# Altium PCB foxbms2-master.PcbDoc (part 7 of 12) (continued)
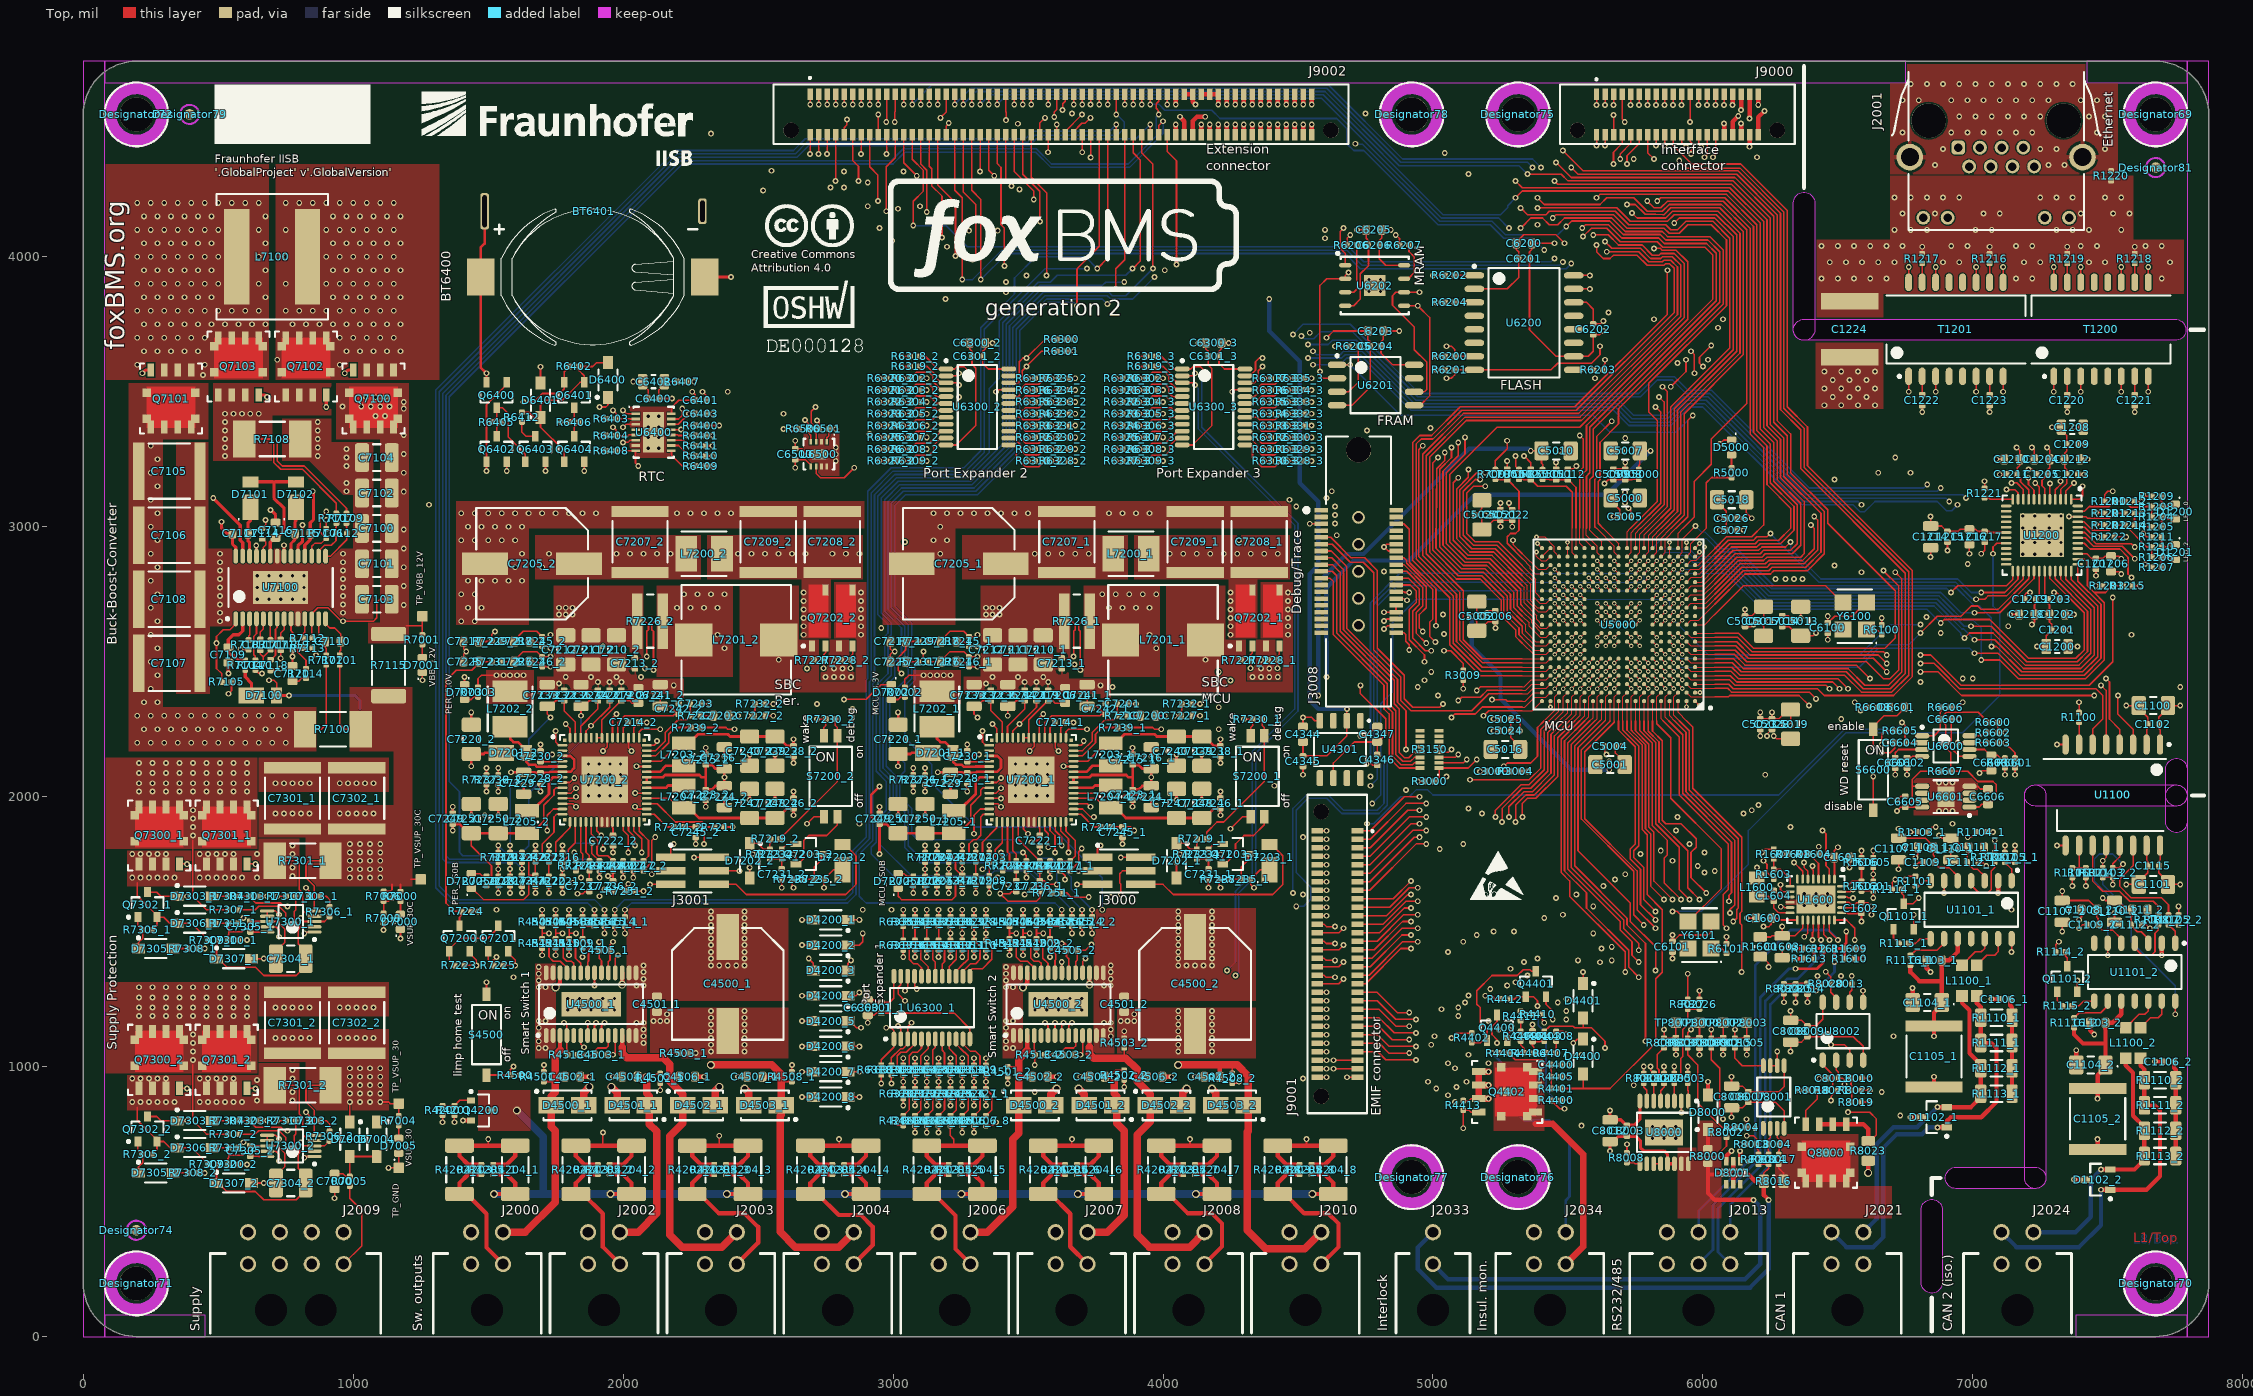
[diagram p0: Top view]
## Nets (pads, with @x,y where several pads share a name; then routed paths per layer and width w, separated by ;. In a path a pad name is that pad's centre, name@x,y a point inside that pad or via, vN(x,y) a via of type N, cw(c..) or ccw(c..) an arc to the next point about the centre after c; other vN are vias at no path point) (continued)
  Int1 (Sig) w6: v1(5025,1806.25) 5025,1956.25 5106.25,2037.5 5331.25,2037.5 5400,2106.25 5400,2218.75 5343.75,2275 5343.75,2281.25
MCU_EMIF.DATA4: J9001.5 U5000.E5 | length 1947.7
  Top w4: U5000.E5@5844.98,2480.02 v3(5860.73,2464.27)
  Top w6: J9001.5@4720.47,1811.02 4767.27,1811.02 4906.25,1950 v1(4950,1950)
  Int3 (Sig) w6: v1(4950,1950) 5100,1950 5137.5,1912.5 5162.5,1912.5 5200,1875 5856.25,1875 v1(5906.25,1925)
  Int1 (Sig) w4: v3(5860.73,2464.27) 5875.59,2449.41 5928.1,2449.41 5956.25,2421.26 5956.25,2318.75 5918.75,2281.25
  Int1 (Sig) w6: v1(5906.25,1925) 5918.75,1937.5 5918.75,2281.25
MCU_EMIF.DATA5: J9001.6 U5000.F5 | length 2128.8
  Top w4: U5000.F5@5844.98,2511.52 v3(5860.73,2495.77)
  Top w6: J9001.6@4570.87,1811.02 v1(4606.25,1811.02)
  Int3 (Sig) w6: v1(4606.25,1811.02) 4642.27,1775 5756.25,1775 v1(5768.75,1787.5)
  Int1 (Sig) w4: v3(5860.73,2495.77) 5875.59,2480.91 5928.1,2480.91 5968.75,2440.26 5968.75,2312.5 5937.5,2281.25
  Int1 (Sig) w6: v1(5768.75,1787.5) 5881.25,1900 5918.75,1900 5931.25,1912.5 5931.25,2275 5937.5,2281.25
MCU_EMIF.DATA6: J9001.7 U5000.G5 | length 2087.8
  Top w4: U5000.G5@5844.98,2543.01 v3(5860.73,2527.26)
  Top w6: J9001.7@4720.47,1779.53 4767.03,1779.53 4912.5,1925 v1(4975,1925)
  Int3 (Sig) w6: v1(4975,1925) 5106.25,1925 5131.25,1900 5156.25,1900 5193.75,1862.5 5862.5,1862.5 5875,1875 v1(5900,1875)
  Int1 (Sig) w4: v3(5860.73,2527.26) 5875.59,2512.41 5928.1,2512.41 6006.25,2434.25 6006.25,2325 5962.5,2281.25
  Int1 (Sig) w6: v1(5900,1875) 5912.5,1887.5 5925,1887.5 5943.75,1906.25 5943.75,2262.5 5962.5,2281.25
MCU_EMIF.DATA7: J9001.8 U5000.K5 | length 2463
  Top w4: U5000.K5@5844.98,2637.5 v3(5860.73,2653.25)
  Top w6: J9001.8@4570.87,1779.53 v1(4606.25,1779.53)
  Int3 (Sig) w6: v1(4606.25,1779.53) 4623.28,1762.5 v1(5887.5,1762.5)
  Int1 (Sig) w4: v3(5860.73,2653.25) 5882.73,2631.25 5956.25,2631.25 6043.75,2543.75
  Int1 (Sig) w6: v1(5887.5,1762.5) 5925,1762.5 6006.25,1843.75 6006.25,2231.25 6068.75,2293.75 6068.75,2518.75 6043.75,2543.75
MCU_EMIF.DATA8: J9001.9 U5000.L5 | length 2530.2
  Top w4: U5000.L5@5844.98,2669 v3(5860.73,2684.74)
  Top w6: J9001.9@4720.47,1748.03 4766.78,1748.03 4918.75,1900 v1(4950,1900)
  Int3 (Sig) w6: v1(4950,1900) 5112.5,1900 5125,1887.5 5150,1887.5 5187.5,1850 5906.25,1850 5925,1868.75 5981.25,1868.75 6006.25,1843.75 v1(6006.25,1793.75)
  Int1 (Sig) w4: v3(5860.73,2684.74) 5876.72,2668.75 5956.25,2668.75 6043.75,2581.25
  Int1 (Sig) w6: v1(6006.25,1793.75) 6031.25,1818.75 6031.25,2218.75 6093.75,2281.25 6093.75,2531.25 6043.75,2581.25
MCU_EMIF.DATA9: J9001.10 U5000.M5 | length 2642.3
  Top w4: U5000.M5@5844.98,2700.49 v3(5860.73,2716.24)
  Top w6: J9001.10@4570.87,1748.03 v1(4606.25,1748.03)
  Int3 (Sig) w6: v1(4606.25,1748.03) 4608.22,1750 5862.5,1750 5875,1737.5 5906.25,1737.5 5912.5,1743.75 v1(5981.25,1743.75)
  Int1 (Sig) w4: v3(5860.73,2716.24) 5877.37,2699.6 5956.65,2699.6 6043.75,2612.5
  Int1 (Sig) w6: v1(5981.25,1743.75) 6012.5,1743.75 6056.25,1787.5 6056.25,2206.25 6118.75,2268.75 6118.75,2537.5 6043.75,2612.5
MCU_EMIF.DATA10: J9001.11 U5000.N5 | length 2739
  Top w4: U5000.N5@5844.98,2731.99 v3(5860.73,2747.74)
  Top w6: J9001.11@4720.47,1716.54 4766.54,1716.54 4925,1875 v1(4975,1875)
  Int3 (Sig) w6: v1(4975,1875) 5143.75,1875 5181.25,1837.5 5912.5,1837.5 5931.25,1856.25 5959.71,1856.25 5981.25,1834.71 5981.25,1781.25 6006.25,1756.25 v1(6006.25,1718.75)
  Int1 (Sig) w4: v3(5860.73,2747.74) 5877.37,2731.1 5943.9,2731.1 6043.75,2631.25
  Int1 (Sig) w6: v1(6006.25,1718.75) 6068.75,1781.25 6068.75,2200 6131.25,2262.5 6131.25,2543.75 6043.75,2631.25
MCU_EMIF.DATA11: J9001.12 U5000.P5 | length 2783
  Top w4: U5000.P5@5844.98,2763.48 v3(5860.73,2779.23)
  Top w6: J9001.12@4570.87,1716.54 v1(4606.25,1716.54)
  Int3 (Sig) w6: v1(4606.25,1716.54) 4627.21,1737.5 5856.25,1737.5 5868.75,1725 5962.5,1725 5993.75,1693.75 6012.5,1693.75 v1(6043.75,1725)
  Int1 (Sig) w4: v3(5860.73,2779.23) 5877.37,2762.59 5937.41,2762.59 6043.75,2656.25
  Int1 (Sig) w6: v1(6043.75,1725) 6081.25,1762.5 6081.25,2193.75 6143.75,2256.25 6143.75,2556.25 6043.75,2656.25
MCU_EMIF.DATA12: J9001.13 U5000.R5 | length 2520.3
  Top w4: U5000.R5@5844.98,2794.98 v3(5860.73,2810.73)
  Top w6: J9001.13@4720.47,1685.04 4766.29,1685.04 4931.25,1850 v1(4950,1850)
  Int3 (Sig) w6: v1(4950,1850) 4987.5,1850 5000,1862.5 5137.5,1862.5 5175,1825 v1(5950,1825)
  Int1 (Sig) w4: v3(5860.73,2810.73) 5844.09,2794.09 5844.09,2630.91 5856.25,2618.75 5950,2618.75 6043.75,2525 ; 6037.5,2281.25 6043.75,2287.5
  Int1 (Sig) w6: v1(5950,1825) 5993.75,1868.75 5993.75,2237.5 6037.5,2281.25 ; 6043.75,2287.5 6056.25,2300 6056.25,2512.5 6043.75,2525
MCU_EMIF.DATA13: J9001.14 U5000.R6 | length 2647.2
  Top w4: U5000.R6@5813.48,2794.98 v3(5829.23,2810.73)
  Top w6: J9001.14@4570.87,1685.04 v1(4606.25,1685.04)
  Int3 (Sig) w6: v1(4606.25,1685.04) 4646.21,1725 5700,1725 v1(5712.5,1712.5)
  Int1 (Sig) w4: v3(5829.23,2810.73) 5812.59,2794.09 5812.59,2618.66 5825,2606.25 5941.98,2606.25 6043.75,2504.48 ; 6018.75,2281.25 6043.75,2306.25
  Int1 (Sig) w6: v1(5712.5,1712.5) 5750,1750 5843.75,1750 5981.25,1887.5 5981.25,2243.75 6018.75,2281.25 ; 6043.75,2306.25 6043.75,2504.48
MCU_EMIF.DATA14: J9001.15 U5000.R7 | length 2552.6
  Top w4: U5000.R7@5781.99,2794.98 v3(5797.74,2810.73)
  Top w6: J9001.15@4720.47,1653.54 4766.04,1653.54 4937.5,1825 v1(4975,1825)
  Int3 (Sig) w6: v1(4975,1825) 4993.75,1825 5018.75,1850 5131.25,1850 5168.75,1812.5 5831.25,1812.5 v1(5843.75,1800)
  Int1 (Sig) w4: v3(5797.74,2810.73) 5781.25,2794.24 5781.25,2581.25 5787.5,2575 5937.5,2575 6031.25,2481.25 6031.25,2312.5 6000,2281.25
  Int1 (Sig) w6: v1(5843.75,1800) 5868.75,1825 5900,1825 5968.75,1893.75 5968.75,2250 6000,2281.25
MCU_EMIF.DATA15: J9001.16 U5000.R8 | length 2688.4
  Top w4: U5000.R8@5750.49,2794.98 v3(5766.24,2810.73)
  Top w6: J9001.16@4570.87,1653.54 v1(4606.25,1653.54)
  Int3 (Sig) w6: v1(4606.25,1653.54) 4665.21,1712.5 5656.25,1712.5 v1(5675,1693.75)
  Int1 (Sig) w4: v3(5766.24,2810.73) 5750,2794.49 5750,2553.99 5760.24,2543.75 5928.25,2543.75 6018.75,2453.25 6018.75,2318.75 5981.25,2281.25
  Int1 (Sig) w6: v1(5675,1693.75) 5675,1710.86 5726.64,1762.5 5775,1762.5 5850,1837.5 5893.75,1837.5 5956.25,1900 5956.25,2256.25 5981.25,2281.25
MCU_EPWM1.A_1: J9002.51 U5000.D9 | length 4019.5
  Top w4: U5000.D9@5719,2448.52 v3(5734.74,2432.78)
  Top w6: v1(3480.31,4564.86) J9002.51@3480.31,4602.36
  Int1 (Sig) w4: 5537.5,2993.75 5640.26,2890.99 5640.26,2872.24 5655.42,2857.08 5677.91,2857.08 5693.75,2841.24 5693.75,2473.77 v3(5734.74,2432.78)
  Int1 (Sig) w6: v1(3480.31,4564.86) 3527.95,4612.5 4075,4612.5 4098.25,4589.25 4098.25,4551.75 4112.5,4537.5 4112.5,4412.5 4168.75,4356.25 4962.5,4356.25 5300,4018.75 5300,3431.25 5425,3306.25 5425,3106.25 5537.5,2993.75
MCU_EPWM1.B_1: J9002.52 U5000.D10 | length 3852
  Top w4: v3(5671.75,2432.78) U5000.D10@5687.5,2448.52
  Top w6: J9002.52@3480.31,4452.76 3480.31,4305.51 3543.19,4242.64 3543.19,4131.81 v1(3543.75,4131.25)
  Int4 (Sig) w4: 5343.75,2993.75 5343.75,2543.75 5438.55,2448.95 5655.58,2448.95 v3(5671.75,2432.78)
  Int4 (Sig) w6: v1(3543.75,4131.25) 3555.49,4142.99 4838.26,4142.99 5212.5,3768.75 5212.5,3218.75 5343.75,3087.5 5343.75,2993.75
MCU_ETM.CLKIN_1: R3009.1 U5000.R9 | length 1048.5
  Top w4: U5000.R9@5719,2794.98 v3(5734.74,2810.73)
  Top w6: v1(5040.67,2540.67) 5065.58,2540.67 5112.5,2493.75 R3009.1@5112.5,2467.72
  Int3 (Sig) w4: 5331.25,2543.75 5381.25,2543.75 5443.75,2606.25 5675,2606.25 5687.5,2618.75 5687.5,2763.48 v3(5734.74,2810.73)
  Int3 (Sig) w6: v1(5040.67,2540.67) 5040.67,2540.58 5062.5,2518.75 5275,2518.75 5300,2543.75 5331.25,2543.75
MCU_ETM.CLKOUT_1: J3008.6 U5000.R10 | length 1414.2
  Top w4: v3(5671.75,2810.73) U5000.R10@5687.5,2794.98
  Top w6: J3008.6@4863.39,3011.02 4892.39,3011.02 4912.5,2990.91 4912.5,2868.75 5011.15,2770.1 v1(5011.15,2633.07)
  Int3 (Sig) w4: 5331.25,2556.25 5381.25,2556.25 5443.75,2618.75 5648.25,2618.75 5656.25,2626.75 5656.25,2795.23 v3(5671.75,2810.73)
  Int3 (Sig) w6: v1(5011.15,2633.07) 5011.15,2601.35 5081.25,2531.25 5268.75,2531.25 5293.75,2556.25 5331.25,2556.25
MCU_ETM.CTL_1: J3008.36 U5000.R11 | length 1139.3
  Top w4: v3(5640.26,2810.73) U5000.R11@5656,2794.98
  Top w6: v1(4818.75,2621.7) 4819.96,2621.7 4831.34,2633.07 J3008.36@4863.39,2633.07
  Int3 (Sig) w4: 5331.25,2568.75 5375,2568.75 5437.5,2631.25 5618.75,2631.25 5625,2637.5 5625,2795.47 v3(5640.26,2810.73)
  Int3 (Sig) w6: v1(5040.67,2602.69) 5041.06,2602.69 5100,2543.75 5259.99,2543.75 5284.99,2568.75 5331.25,2568.75
  Int1 (Sig) w6: v1(4818.75,2621.7) 4934.36,2621.7 4947.31,2634.65 4971.6,2634.65 5003.56,2602.69 v1(5040.67,2602.69)
MCU_ETM.DATA0_1: J3008.38 U5000.R12 | length 1108.5
  Top w4: v3(5608.76,2810.73) U5000.R12@5624.51,2794.98
  Top w6: J3008.38@4863.39,2607.87 4892.39,2607.87 4899.28,2600.98 4899.28,2575.72 4912.5,2562.5 v1(4912.5,2543.75)
  Int3 (Sig) w4: 5331.25,2581.25 5356.25,2581.25 5443.75,2668.75 5581.25,2668.75 5593.75,2681.25 5593.75,2795.72 v3(5608.76,2810.73)
  Int3 (Sig) w6: v1(4912.5,2543.75) 4912.5,2593.37 4974.03,2654.9 5020.19,2654.9 5034.98,2640.11 5034.98,2640.02 5118.75,2556.25 5250,2556.25 5275,2581.25 5331.25,2581.25
MCU_ETM.DATA1_1: J3008.28 U5000.R13 | length 957.4
  Top w4: v3(5577.26,2810.73) U5000.R13@5593.01,2794.98
  Top w6: J3008.28@4863.39,2733.86 4893.18,2733.86 4899.28,2727.75 v1(4903.52,2727.75)
  Int3 (Sig) w4: 5331.25,2591.25 5335,2591.25 5443.75,2700 5556.25,2700 5562.5,2706.25 5562.5,2762.5 5562.41,2762.59 5562.41,2795.87 v3(5577.26,2810.73)
  Int3 (Sig) w6: v1(5037.5,2675) 5143.75,2568.75 5243.75,2568.75 5266.25,2591.25 5331.25,2591.25
  Int1 (Sig) w6: v1(4903.52,2727.75) 4984.75,2727.75 v1(5037.5,2675)
MCU_ETM.DATA2_1: J3008.26 U5000.J15 | length 991.7
  Top w4: v3(5514.27,2590.26) U5000.J15@5530.02,2606
  Top w6: J3008.26@4863.39,2759.06 4892.39,2759.06 4895.19,2756.25 v1(4912.5,2756.25) v1@4909.69,2759.06
  Int3 (Sig) w4: 5331.25,2531.25 5400,2531.25 5443.75,2575 5499.02,2575 v3(5514.27,2590.26)
  Int3 (Sig) w6: v1(4912.5,2756.25) 4909.5,2753.25 4898.15,2753.25 4881.25,2736.35 4881.25,2544.13 4903.46,2521.92 4977.69,2521.92 4980.87,2518.75 5043.75,2518.75 5056.25,2506.25 5281.25,2506.25 5306.25,2531.25 5331.25,2531.25
MCU_ETM.DATA3_1: J3008.24 U5000.H15 | length 976.6
  Top w4: v3(5514.27,2558.76) U5000.H15@5530.02,2574.51
  Top w6: J3008.24@4863.39,2784.25 4915.75,2784.25 4937.5,2762.5 4937.5,2718.75 4912.5,2693.75 4912.5,2581.25 4968.75,2525 v1(4968.75,2500)
  Int3 (Sig) w4: 5331.25,2518.75 5412.5,2518.75 5435.87,2542.12 5497.63,2542.12 v3(5514.27,2558.76)
  Int3 (Sig) w6: v1(4968.75,2500) 5043.75,2500 5050,2493.75 5287.5,2493.75 5312.5,2518.75 5331.25,2518.75
MCU_ETM.DATA4_1: J3008.22 U5000.G15 | length 1041.4
  Top w4: v3(5514.27,2527.26) U5000.G15@5530.02,2543.01
  Top w6: J3008.22@4863.39,2809.45 4909.3,2809.45 4950,2768.75 4950,2712.5 4925,2687.5 4925,2587.5 4971.83,2540.67 v1(4993.75,2540.67)
  Int3 (Sig) w4: 5331.25,2506.25 5493.26,2506.25 v3(5514.27,2527.26)
  Int3 (Sig) w6: v1(4993.75,2462.5) 5006.25,2450 5043.75,2450 5077.5,2483.75 5296.25,2483.75 5318.75,2506.25 5331.25,2506.25
  Int1 (Sig) w6: v1(4993.75,2462.5) v1(4993.75,2540.67)
MCU_ETM.DATA5_1: J3008.20 U5000.F15 | length 1108.6
  Top w4: v3(5514.27,2495.77) U5000.F15@5530.02,2511.52
  Top w6: J3008.20@4863.39,2834.65 4902.85,2834.65 4962.5,2775 4962.5,2706.25 4937.5,2681.25 4937.5,2606.25 v1(4975,2568.75)
  Int3 (Sig) w4: 5331.25,2495.77 v3(5514.27,2495.77)
  Int3 (Sig) w6: v1(4968.75,2431.25) 5043.75,2431.25 5081.25,2468.75 5300,2468.75 5327.02,2495.77 5331.25,2495.77
  Int1 (Sig) w6: v1(4968.75,2431.25) 4946.92,2453.08 4946.92,2540.67 v1(4975,2568.75)
MCU_ETM.DATA6_1: J3008.18 U5000.E15 | length 1188.1
  Top w4: v3(5514.27,2464.27) U5000.E15@5530.02,2480.02
  Top w6: J3008.18@4863.39,2859.84 4893.12,2859.84 4975,2777.97 4975,2700 4950,2675 4950,2625 v1(4962.5,2612.5)
  Int3 (Sig) w4: 5331.25,2481.25 5497.29,2481.25 v3(5514.27,2464.27)
  Int3 (Sig) w6: v1(4943.75,2406.25) 5037.5,2406.25 5087.5,2456.25 5306.25,2456.25 5331.25,2481.25
  Int1 (Sig) w6: v1(4943.75,2406.25) 4941.98,2408.02 4941.98,2426.77 4934.42,2434.33 4934.42,2599.62 4947.31,2612.5 v1(4962.5,2612.5)
MCU_ETM.DATA7_1: J3008.16 U5000.E14 | length 1188.1
  Top w4: v3(5545.77,2464.27) U5000.E14@5561.52,2480.02
  Top w6: J3008.16@4863.39,2885.04 4892.39,2885.04 4902.5,2874.93 4902.5,2864.61 5000,2767.11 5000,2658.27 4987.5,2645.77 4987.5,2594.13 v1(5008.89,2572.74)
  Int3 (Sig) w4: 5331.25,2449.41 5530.91,2449.41 v3(5545.77,2464.27)
  Int3 (Sig) w6: v1(5018.75,2375) 5020.39,2375 5089.14,2443.75 5312.5,2443.75 5318.16,2449.41 5331.25,2449.41
  Int1 (Sig) w6: v1(5008.89,2572.74) 5008.89,2556.4 5018.85,2546.44 5018.85,2375.1 v1(5018.75,2375)
MCU_FRAY1.RX_1: J9002.27 U5000.A15 | length 5098.2
  Top w4: 5506.25,2281.25 5530.02,2305.02 U5000.A15@5530.02,2354.04
  Top w6: v1(3102.36,4564.86) J9002.27@3102.36,4602.36 ; v1(5306.25,1906.25) 5306.25,1968.75 5343.75,2006.25 5375,2006.25 5450,2081.25 5450,2225 5506.25,2281.25
  Int3 (Sig) w6: v1(3100,4187.5) 3118.75,4206.25 3118.75,4520.82 3102.36,4537.2 v1(3102.36,4564.86)
  Int4 (Sig) w6: v1(3100,4187.5) 3262.5,4187.5 3307.01,4142.99 3500.76,4142.99 3537.5,4106.25 3556.25,4106.25 3581.25,4131.25 4468.75,4131.25 4618.75,3981.25 4806.25,3981.25 4918.75,3868.75 4918.75,3243.75 5300,2862.5 5300,2225 5325,2200 5325,1956.25 5306.25,1937.5 v1(5306.25,1906.25)
MCU_FRAY1.TX_1: J9002.28 U5000.B15 | length 4924.6
  Top w4: 5487.5,2281.25 5514.27,2308.02 5514.27,2369.78 U5000.B15@5530.02,2385.53
  Top w6: J9002.28@3102.36,4452.76 3102.36,4343.75 3125,4321.11 v1(3125,4165.67) ; v1(5281.25,1925) 5281.25,1962.5 5337.5,2018.75 5368.75,2018.75 5437.5,2087.5 5437.5,2231.25 5487.5,2281.25
  Int4 (Sig) w6: v1(3125,4165.67) 3260.21,4165.67 3294.64,4131.25 3489.93,4131.25 3527.43,4093.75 3562.5,4093.75 3587.5,4118.75 4462.5,4118.75 4612.5,3968.75 4800,3968.75 4906.25,3862.5 4906.25,3237.5 5287.5,2856.25 5287.5,2218.75 5312.5,2193.75 5312.5,1975 5281.25,1943.75 v1(5281.25,1925)
MCU_FRAY1.TXEN_1: J9002.29 U5000.B16 | length 4921.2
  Top w4: 5450,2281.25 5482.78,2314.03 5482.78,2369.78 U5000.B16@5498.52,2385.53
  Top w6: v1(3133.86,4564.86) J9002.29@3133.86,4602.36 ; v1(5231.25,1925) 5231.25,1948.97 5326.03,2043.75 5356.25,2043.75 5412.5,2100 5412.5,2243.75 5450,2281.25
  Int3 (Sig) w6: v1(3133.86,4564.86) 3133.86,4341.14 3156.25,4318.75 v1(3156.25,4143.75)
  Int4 (Sig) w6: v1(3156.25,4143.75) 3263.39,4143.75 3288.39,4118.75 3477.36,4118.75 3514.86,4081.25 3575,4081.25 3600,4106.25 4456.25,4106.25 4893.75,3668.75 4893.75,3212.5 5262.5,2843.75 5262.5,2218.75 5231.25,2187.5 v1(5231.25,1925)
MCU_FRAY2.RX_1: J9002.30 U5000.A8 | length 5992.2
  Top w4: 5750.49,2281.25 U5000.A8@5750.49,2354.04
  Top w6: J9002.30@3133.86,4452.76 3133.86,4335.92 3143.75,4326.03 3143.75,4262.5 3181.25,4225 v1(3181.25,4071.92) ; 5750.49,2281.25 5750.49,2244.03 5800,2194.52 5800,1887.5 5818.75,1868.75 5818.75,1687.5 v1(5887.5,1618.75)
  Int4 (Sig) w6: v1(3181.25,4071.92) 3196.83,4071.92 3231.25,4037.5 3325,4037.5 3337.5,4025 3450,4025 3468.75,4006.25 3612.5,4006.25 3637.5,4031.25 4418.75,4031.25 4818.75,3631.25 4818.75,2993.75 4786.25,2961.25 4786.25,2363.75 4875,2275 4875,1887.5 4981.25,1781.25 5050,1781.25 5068.75,1800 5700,1800 5750,1750 5800,1750 5887.5,1662.5 v1(5887.5,1618.75)
MCU_FRAY2.TX_1: J9002.31 U5000.B8 | length 6165.5
  Top w4: 5734.74,2281.25 5734.74,2369.78 U5000.B8@5750.49,2385.53
  Top w6: v1(3165.35,4564.86) J9002.31@3165.35,4602.36 ; 5734.74,2281.25 5734.74,2245.64 5742.75,2237.63 5787.5,2192.88 5787.5,1881.25 5806.25,1862.5 5806.25,1668.75 v1(5856.25,1618.75)
  Int3 (Sig) w6: v1(3165.35,4564.86) 3165.35,4537.8 3150,4522.44 3150,4350 3212.5,4287.5 3212.5,4050 v1(3200,4037.5)
  Int4 (Sig) w6: v1(3200,4037.5) 3212.5,4025 3318.75,4025 3331.25,4012.5 3443.75,4012.5 3462.5,3993.75 3618.75,3993.75 3643.75,4018.75 4412.5,4018.75 4806.25,3625 4806.25,3000 4776.25,2970 4776.25,2355 4862.5,2268.75 4862.5,1883.21 4976.96,1768.75 5056.25,1768.75 5075,1787.5 5693.75,1787.5 5743.75,1737.5 5793.75,1737.5 5856.25,1675 v1(5856.25,1618.75)
MCU_FRAY2.TXEN_1: J9002.32 U5000.B9 | length 6049.4
  Top w4: 5703.44,2281.25 5703.44,2369.97 U5000.B9@5719,2385.53
  Top w6: J9002.32@3165.35,4452.76 3165.35,4265.9 3231.25,4200 v1(3231.25,4003.17) ; 5703.44,2281.25 5703.44,2246.79 5762.5,2187.73 5762.5,1818.75 5743.75,1800 5743.75,1775 5781.25,1737.5 5781.25,1618.75 v1(5825,1575)
  Int4 (Sig) w6: v1@3231.25,4003.17 3240.58,4012.5 3312.5,4012.5 3325,4000 3437.5,4000 3456.25,3981.25 3625,3981.25 3650,4006.25 4406.25,4006.25 4793.75,3618.75 4793.75,3006.25 4766.25,2978.75 4766.25,2347.32 4850,2263.57 4850,1878.03 4971.78,1756.25 5061.43,1756.25 5080.18,1775 5687.5,1775 5825,1637.5 v1(5825,1575)
MCU_GIOA.0_1: U5000.A5 U7200_1.33 | length 4419.2
  Top w4: U5000.A5@5844.98,2354.04 5844.98,2288.43 5852.16,2281.25
  Top w6: U7200_1.33@3668.52,2013.29 3750.42,2013.29 3763.71,2000 3850,2000 3856.25,2006.25 3912.5,2006.25 3924.56,1994.19 v1(3924.82,1994.19) ; 5852.16,2281.25 5912.5,2220.91 5912.5,2006.25 6093.75,1825 6093.75,1656.25 6075,1637.5 6075,1525 v1(6087.5,1512.5)
  Int3 (Sig) w6: v1(3924.82,1994.19) 3994.01,1925 4185.39,1925 4200.97,1909.42 4221.92,1909.42 4331.25,2018.75 4825,2018.75 5006.25,2200 5143.75,2200 5206.25,2137.5 5343.75,2137.5 5425,2056.25 6206.25,2056.25 v1(6231.25,2081.25)
  Int1 (Sig) w6: v1(6087.5,1512.5) 6118.37,1512.5 6140.67,1534.81 6140.67,1628.17 6248.29,1735.79 6248.29,2064.21 v1(6231.25,2081.25)
MCU_GIOA.1_1: U5000.C2 U7200_2.33 | length 5259.5
  Top w4: U5000.C2@5939.47,2417.03 5955.22,2401.28 6043.75,2401.28
  Top w6: v2(2044.54,2013.29) U7200_2.33@2087.27,2013.29 ; 6043.75,2401.28 6092.47,2401.28 6106.25,2387.5 6393.75,2387.5 v1(6418.75,2362.5)
  Int3 (Sig) w6: v1(4768.75,2075) 4862.5,2075 5000,2212.5 5150,2212.5 5162.5,2200 5664.27,2200 5676.77,2212.5 6131.25,2212.5 6206.25,2287.5 6381.25,2287.5 6418.75,2325 v1(6418.75,2362.5)
  Int4 (Sig) w6: v2(2044.54,2013.29) 2145.32,1912.5 2368.75,1912.5 2381.25,1925 2431.25,1925 2456.25,1900 2630.87,1900 2668.37,1937.5 2893.75,1937.5 2950,1993.75 3337.5,1993.75 3390.58,1940.67 3409.42,1940.67 3443.75,1975 3687.5,1975 3743.75,2031.25 4168.75,2031.25 4212.5,2075 4440.67,2075 4459.42,2056.25 4750,2056.25 v1(4768.75,2075)
MCU_GIOA.2_1: J9000.20 U5000.C1 | length 3332
  Top w4: U5000.C1@5970.96,2417.03 6043.75,2417.03
  Top w6: J9000.20@5889.76,4452.76 5889.76,4412.75 5958.76,4343.75 6140.35,4343.75 6312.5,4171.6 6312.5,3444.64 6387.5,3369.64 6387.5,3225.89 6775,2838.39 6775,2443.75 6706.25,2375 6450,2375 6425,2400 6112.5,2400 6095.47,2417.03 6043.75,2417.03
MCU_GIOA.3_1: J9000.21 U5000.E1 | length 3479.6
  Top w4: U5000.E1@5970.96,2480.02 6043.75,2480.02
  Top w6: v1(5912.5,4356.25) 5940,4328.75 6137.67,4328.75 6300,4166.42 6300,3439.46 6375,3364.46 6375,3220.71 6762.5,2833.21 6762.5,2450 6700,2387.5 6587.5,2387.5 6525,2450 6137.5,2450 6107.48,2480.02 6043.75,2480.02 ; v1(5921.26,4562.5) J9000.21@5921.26,4602.36
  Int3 (Sig) w6: v1(5912.5,4356.25) 5912.5,4551.16 5921.26,4559.92 v1(5921.26,4562.5)
MCU_GIOA.4_1: J9000.22 U5000.A6 | length 5344.4
  Top w4: 5813.48,2281.25 U5000.A6@5813.48,2354.04
  Top w6: 5813.48,2281.25 5813.48,2243.2 5850,2206.68 5850,1912.5 5862.5,1900 5918.75,1900 5975,1843.75 5975,1812.5 5956.25,1793.75 5956.25,1700 v1(6012.5,1643.75) ; J9000.22@5921.26,4452.76 5921.26,4422.49 v1(5937.5,4406.25)
  Int3 (Sig) w6: v1(5937.5,4406.25) 5937.5,4456.48 5930.93,4463.05 5930.93,4540.67 5977.76,4587.5 6131.25,4587.5 6200,4518.75 v1(6200,4368.75) ; v1(6012.5,1643.75) 6037.5,1643.75 6243.75,1850 6631.25,1850 6693.75,1912.5 6912.5,1912.5 v1(6925,1900)
  Int1 (Sig) w6: v1(6200,4368.75) 6212.5,4356.25 6212.5,3662.5 6256.25,3618.75 6256.25,3337.5 6856.25,2737.5 6856.25,2575.55 6881.25,2550.55 6881.25,2193.75 6850,2162.5 6850,1937.5 6867.25,1920.25 6904.75,1920.25 v1(6925,1900)
MCU_GIOA.6_1: J9000.23 U5000.H3 | length 2493
  Top w4: U5000.H3@5907.97,2574.51 v3(5923.72,2558.76)
  Top w6: v1(5952.76,4500) J9000.23@5952.76,4602.36
  Int3 (Sig) w4: v3(5923.72,2558.76) 5943.75,2578.79 5943.75,2593.75 6043.75,2693.75
  Int3 (Sig) w6: 6043.75,2693.75 6143.75,2793.75 6243.75,2793.75 6256.25,2781.25 6281.25,2781.25 v1(6306.25,2806.25)
  Int1 (Sig) w6: v1(5952.76,4500) 5993.75,4500 6175,4318.75 6175,3643.75 6218.75,3600 6218.75,2893.75 v1(6306.25,2806.25)
MCU_GIOA.7_1: J9002.37 U5000.M1 | length 5108.5
  Top w4: U5000.M1@5970.96,2700.49 6012.99,2700.49 6043.75,2731.25
  Top w6: v1(3259.84,4564.86) J9002.37@3259.84,4602.36 ; v1(5350,4306.25) 5475,4306.25 5500,4281.25 5578.03,4281.25 6112.5,4281.25 6250,4143.75 6250,3379.11 6300,3329.11 6300,3187.5 6437.5,3050 6437.5,2906.25 6381.25,2850 6256.25,2850 6243.75,2837.5 6150,2837.5 6043.75,2731.25
  Bottom w6: v1(3259.84,4564.86) 3307.48,4612.5 4600,4612.5 4875,4337.5 5318.75,4337.5 v1(5350,4306.25)
MCU_GIOB.1_1: R6401.1 U5000.K2 U6400.12 | length 6809.6
  Top w4: U5000.K2@5939.47,2637.5 5954.78,2652.81 5984.06,2652.81 6043.75,2712.5
  Top w6: U6400.12@2179.04,3340.16 2202.52,3340.16 2204.74,3337.93 2237.07,3337.93 v2(2237.5,3337.5) R6401.1@2269.78,3337.5 ; v1(5456.25,4350) 5512.5,4293.75 5588.44,4293.75 6118.75,4293.75 6262.5,4150 6262.5,3387.5 6312.5,3337.5 6312.5,3193.75 6450,3056.25 6450,2900 6387.5,2837.5 6262.96,2837.5 6250.46,2825 6156.25,2825 6043.75,2712.5
  Int3 (Sig) w6: v2(2237.5,3337.5) 2237.5,3365.44 2372.06,3500 v1(2387.5,3500) ; v1(4543.75,3718.75) 4543.75,3881.25 4687.5,4025 5175,4025 5243.75,4093.75 5243.75,4275 5331.25,4362.5 5443.75,4362.5 v1(5456.25,4350)
  Int1 (Sig) w6: v1(2387.5,3500) 2806.25,3500 2987.5,3681.25 3143.75,3681.25 3200,3737.5 4525,3737.5 v1(4543.75,3718.75)
MCU_GIOB.4_1: R6318_1.1 R6318_2.1 R6318_3.1 U5000.G1 U6300_1.1 U6300_2.1 U6300_3.1 | length 10057.3
  Top w4: U5000.G1@5970.96,2543.01 6043.75,2543.01
  Top w6: R6318_1.1@2956.25,1005.22 2956.25,1025 3003,1071.75 U6300_1.1@3003,1102.61 3003,1134.17 2993.42,1143.75 v2(2975,1143.75) ; R6318_2.1@3098.97,3631.25 3118.75,3631.25 3165.5,3584.5 U6300_2.1@3196.36,3584.5 3227.92,3584.5 3237.17,3593.75 3262.5,3593.75 3281.25,3575 v2(3281.25,3550) ; R6318_3.1@3973.97,3631.25 3993.75,3631.25 4040.5,3584.5 U6300_3.1@4071.36,3584.5 4102.92,3584.5 4112.17,3593.75 4137.5,3593.75 4156.25,3575 v2(4156.25,3550) ; 6043.75,2543.01 6119.49,2543.01 6162.5,2500 6606.25,2500 6668.75,2437.5 6693.75,2437.5 6725,2468.75 6725,2781.25 v1(6668.75,2837.5)
  Int3 (Sig) w6: v2(2975,1143.75) 3000,1118.75 3068.75,1118.75 3100,1150 3262.5,1150 3443.75,968.75 3550,968.75 3587.5,1006.25 3800,1006.25 4118.75,1325 4256.25,1325 v1(4268.75,1337.5) ; v2(3281.25,3550) 3460.08,3550 3481.91,3571.83 3778.08,3571.83 3862.5,3656.25 4068.75,3656.25 4156.25,3568.75 v2(4156.25,3550) 4156.25,3237.5 4187.5,3206.25 5099.62,3206.25 5115.19,3190.67 5143.42,3190.67 5174.57,3221.83 5240.67,3221.83 5262.5,3200 v1(6650,3200)
  Int4 (Sig) w6: v1(6650,3200) 6668.75,3181.25 v1(6668.75,2837.5)
  Bottom w6: v2(4156.25,3550) 4143.75,3537.5 4143.75,3368.75 4500,3012.5 4500,2317.08 4343.75,2160.83 4343.75,1706.25 4281.25,1643.75 4281.25,1350 v1(4268.75,1337.5)
MCU_GIOB.7_1: R7106.1 U5000.F1 U7100.17 | length 7851.1
  Top w4: U5000.F1@5970.96,2511.52 6043.75,2511.52
  Top w6: U7100.17@846.41,2891.14 846.41,2927.66 858.21,2939.46 882.17,2939.46 R7106.1@900,2957.28 878.17,2979.11 878.17,3034.42 v2(900,3056.25) ; 6043.75,2511.52 6113.48,2511.52 6150,2475 6537.5,2475 6600,2412.5 6687.5,2412.5 6737.5,2462.5 6737.5,2806.25 v1(6712.5,2831.25)
  Int3 (Sig) w6: v2(900,3056.25) 1325,3056.25 1375,3106.25 4425,3106.25 4456.25,3075 v1(4493.75,3075)
  Int4 (Sig) w6: v1(6712.5,2831.25) v1(6712.5,3256.25)
  Int6 (Sig) w6: v1(4493.75,3075) 4493.75,3137.5 4568.75,3212.5 5087.5,3212.5 5168.75,3293.75 5331.25,3293.75 5343.75,3306.25 6018.75,3306.25 6050,3275 6693.75,3275 v1(6712.5,3256.25)
MCU_GIOX.A4_1: J9002.39 U5000.A4 | length 6184.2
  Top w4: U5000.A4@5876.48,2354.04 5876.48,2299.56 5894.79,2281.25
  Top w6: v1(3291.34,4564.86) J9002.39@3291.34,4602.36 ; 5894.79,2281.25 5937.5,2238.54 5937.5,2018.75 6118.75,1837.5 6118.75,1600 6100,1581.25 v1(6100,1568.75)
  Int3 (Sig) w6: v1(3281.25,4096.92) 3281.25,4350 3306.25,4375 3306.25,4522.29 3291.34,4537.2 v1(3291.34,4564.86)
  Int4 (Sig) w6: v1(3281.25,4096.92) 3353.08,4096.92 3375,4075 3481.25,4075 3500,4056.25 3587.5,4056.25 3612.5,4081.25 4443.75,4081.25 4868.75,3656.25 4868.75,2674.06 4868.75,2419.89 4868.75,2356.25 5012.5,2212.5 5012.5,2025 5187.5,1850 5837.12,1850 6059.27,1627.84 6059.27,1609.48 v1(6100,1568.75)
MCU_GIOX.A11_1: J9002.38 U5000.A11 | length 6023.6
  Top w4: 5656,2281.25 U5000.A11@5656,2354.04
  Top w6: J9002.38@3259.84,4452.76 3259.84,4240.16 3306.25,4193.75 3306.25,4000 3296.92,3990.67 v1(3293.75,3990.67) ; 5656,2281.25 5656,2279.89 5550,2173.89 5550,1917.11 5743.75,1723.36 5743.75,1562.5 v1(5781.25,1525)
  Int4 (Sig) w6: v1(3293.75,3990.67) 3315.58,3990.67 3318.75,3987.5 3431.25,3987.5 3450,3968.75 3631.25,3968.75 3656.25,3993.75 4400,3993.75 4781.25,3612.5 4781.25,3012.5 4756.25,2987.5 4756.25,2339.64 4837.5,2258.39 4837.5,1872.86 4966.61,1743.75 5066.61,1743.75 5085.36,1762.5 5568.75,1762.5 5781.25,1550 v1(5781.25,1525)
MCU_GIOX.A14_1: J9002.46 U5000.A14 | length 6247
  Top w4: 5543.75,2281.25 5561.52,2299.02 U5000.A14@5561.52,2354.04
  Top w6: J9002.46@3385.83,4452.76 3385.83,4345.42 3400,4331.25 3400,4118.75 3412.5,4106.25 v1(3412.5,3965.67) ; 5543.75,2281.25 5475,2212.5 5475,1718.75 5506.25,1687.5 5506.25,1631.25 5712.5,1425 v1(5712.5,1350)
  Int4 (Sig) w6: v1(3412.5,3965.67) 3431.25,3965.67 3440.67,3956.25 3637.5,3956.25 3662.5,3981.25 4009.81,3981.25 4040.96,3950.1 4043.65,3950.1 4043.75,3950 4062.5,3950 4081.25,3968.75 4387.5,3968.75 4756.25,3600 4756.25,3425 4650,3318.75 4650,3256.25 4681.25,3225 4681.25,2379.29 4812.5,2248.04 4812.5,1862.5 4956.25,1718.75 5076.96,1718.75 5095.71,1737.5 5500,1737.5 5712.5,1525 v1(5712.5,1350)
MCU_GIOX.B3_1: J9002.43 U5000.B3 | length 6253.8
  Top w4: U5000.B3@5907.97,2385.53 5892.22,2369.78 5892.22,2301.87 5912.84,2281.25
  Top w6: v1(3354.33,4564.86) J9002.43@3354.33,4602.36 ; 5912.84,2281.25 5950,2244.09 5950,2025 6131.25,1843.75 6131.25,1587.5 6125,1581.25 6125,1550 v1(6112.5,1537.5)
  Int3 (Sig) w6: v1(3354.33,4564.86) 3353.17,4563.7 3353.17,4271.83 3387.5,4237.5 v1(3387.5,4096.92)
  Int4 (Sig) w6: v1(3387.5,4096.92) 3478.08,4096.92 3506.25,4068.75 3581.25,4068.75 3606.25,4093.75 4450,4093.75 4881.25,3662.5 4881.25,2362.5 5028.17,2215.58 5028.17,2028.46 5194.13,1862.5 5838.76,1862.5 5929.34,1771.92 6027.69,1771.92 6121.83,1677.79 6121.83,1549.14 6112.5,1539.81 v1(6112.5,1537.5)
MCU_GIOX.D11_1: R6410.1 U5000.D11 U6400.10 | length 4306.8
  Top w4: v3(5640.26,2432.78) U5000.D11@5656,2448.52
  Top w6: U6400.10@2179.04,3300.79 2205.46,3300.79 v2(2243.75,3262.5) R6410.1@2269.78,3262.5
  Int3 (Sig) w6: v2(2243.75,3262.5) 2218.75,3237.5 2218.75,3193.75 2243.75,3168.75 4506.25,3168.75 4568.75,3106.25 v1(4606.25,3106.25)
  Int6 (Sig) w4: 5593.75,2993.75 5593.75,2426.77 5602.61,2417.92 5625.4,2417.92 v3(5640.26,2432.78)
  Int6 (Sig) w6: v1(4606.25,3106.25) 4637.5,3106.25 4650,3118.75 4918.75,3118.75 4925,3112.5 5487.5,3112.5 5593.75,3006.25 5593.75,2993.75
MCU_GIOX.D12_1: R6409.1 U5000.D12 U6400.9 | length 4190.6
  Top w4: v3(5608.76,2432.78) U5000.D12@5624.51,2448.52
  Top w6: U6400.9@2179.04,3281.1 2179.04,3264.71 2218.75,3225 v2(2243.75,3225) R6409.1@2269.78,3225
  Int3 (Sig) w6: v2(2243.75,3225) 2287.5,3181.25 4512.5,3181.25 4562.5,3131.25 v1(4625,3131.25)
  Int6 (Sig) w4: v3(5608.76,2432.78) 5625,2449.02 5625,2993.75
  Int6 (Sig) w6: v1(4625,3131.25) 4927.12,3131.25 4933.37,3125 5493.75,3125 5625,2993.75